# Altium PCB PCB_3U_ADC.PCBDOC (part 5 of 5)
Units mil, origin at the board's own origin, x right, y up, seen from the top; angles counter-clockwise.
Board outline 6299 x 3937 mil, 4 copper layers (Top, MP(GND), L3, Bot), stack 64.881 mil thick; 530 components, 318 nets, 1631 pads, 745 vias.
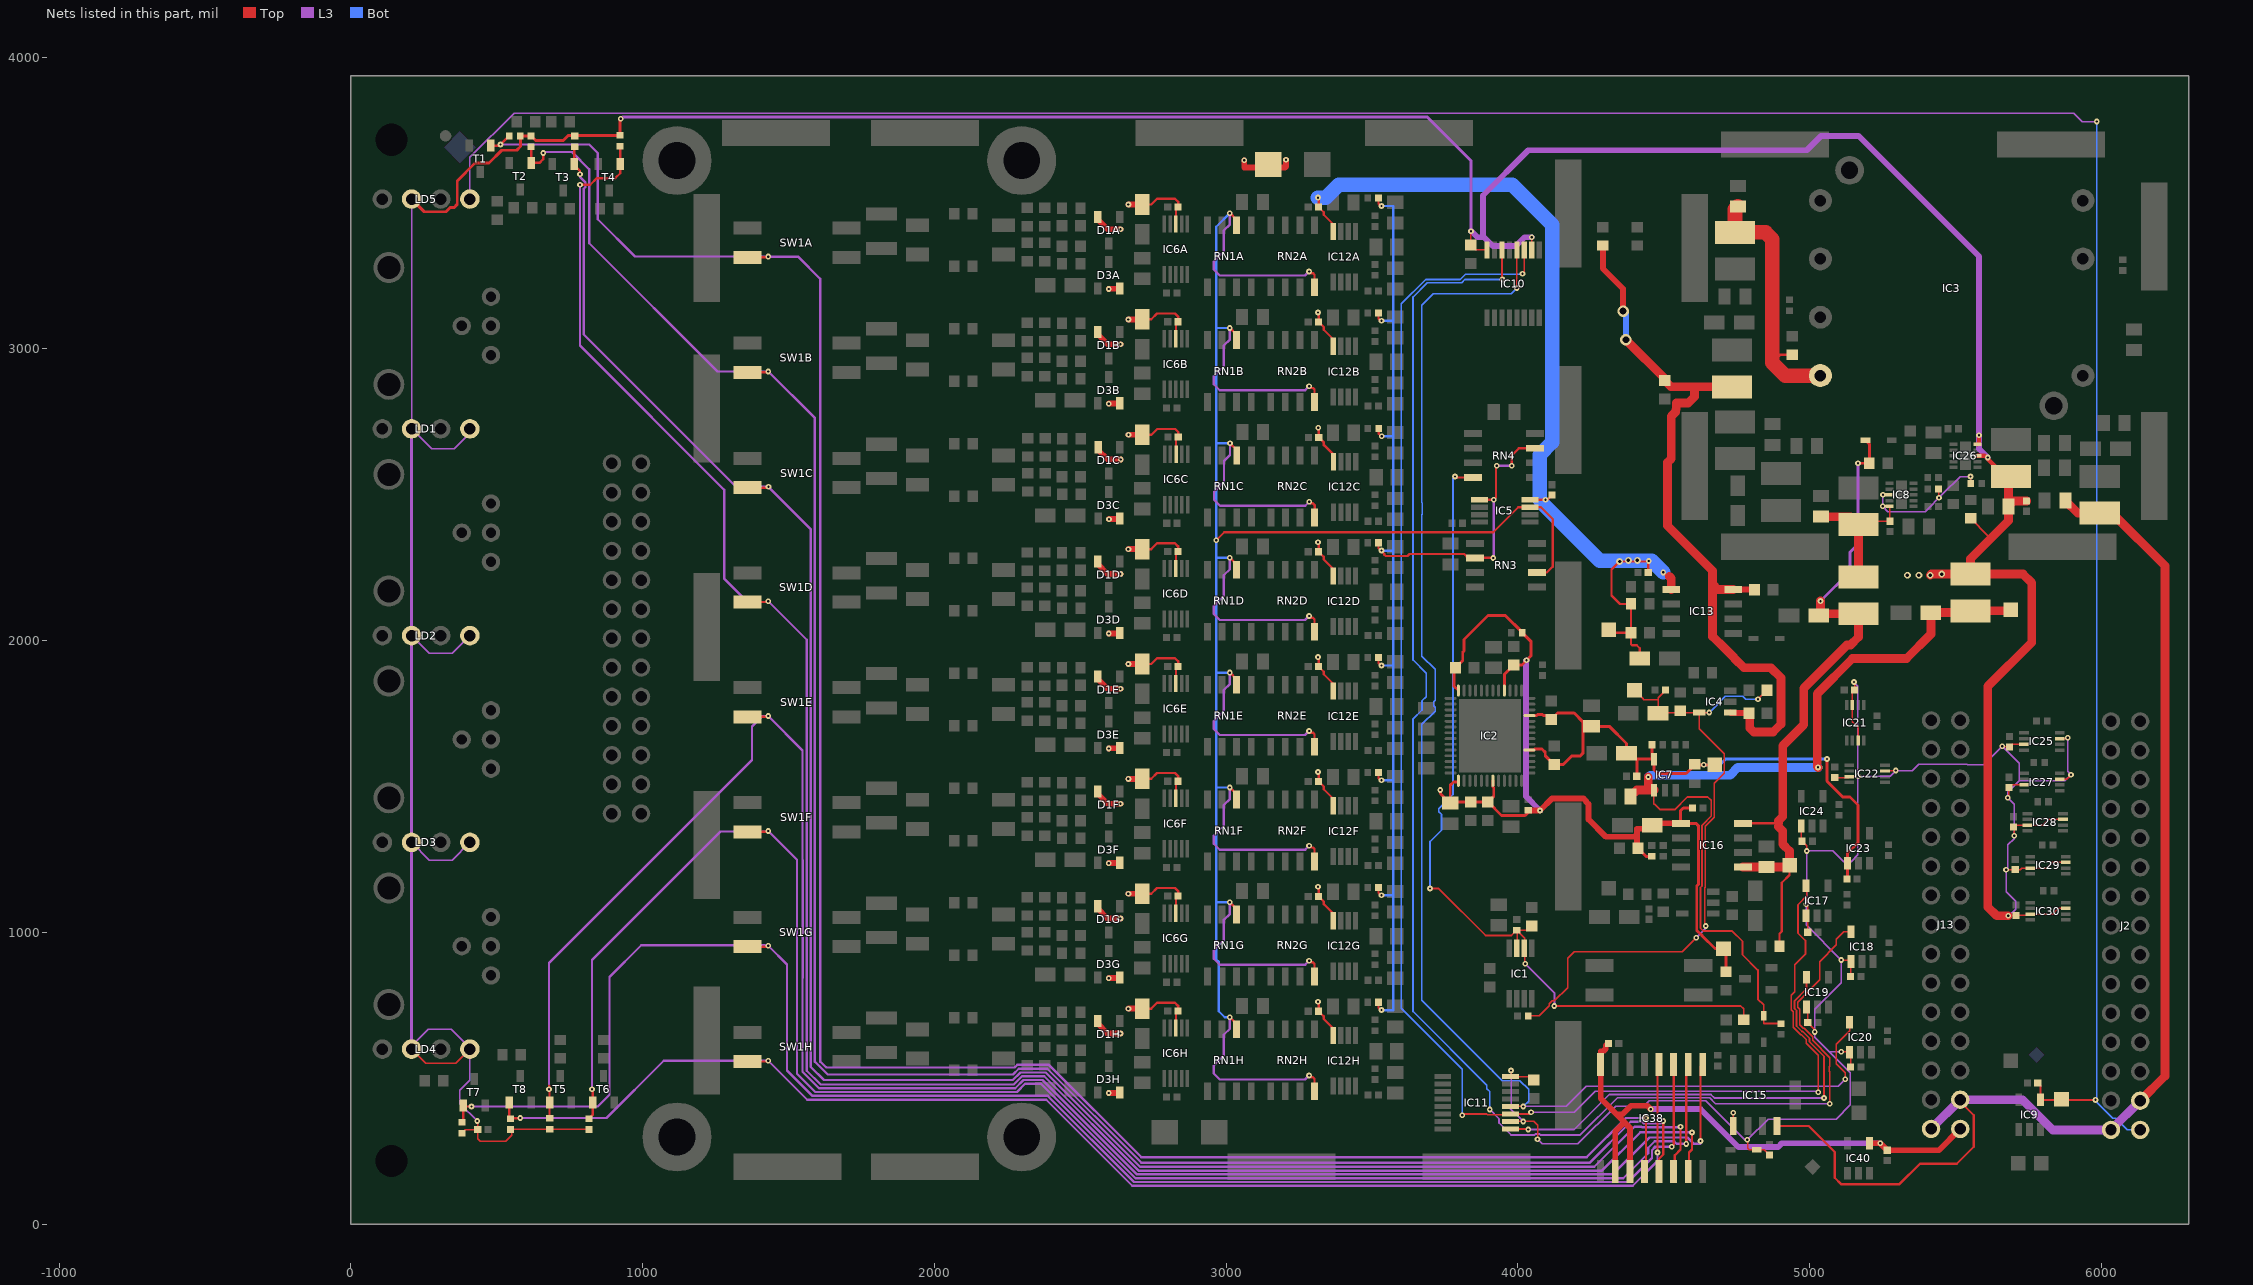
[diagram p7: the nets of this part, all layers, seen from the top]

## Via types
v1: diameter 19.68, hole 7.87, Top to Bot, tented both sides, 729 vias
v2: diameter 23.62, hole 11.81, Top to Bot, tented both sides, 9 vias
v3: diameter 39.37, hole 23.62, Top to Bot, tented both sides, 6 vias
v4: diameter 19.68, hole 7.87, Top to Bot, 1 vias

## Nets (pads, with @x,y where several pads share a name; then routed paths per layer and width w, separated by ;. In a path a pad name is that pad's centre, name@x,y a point inside that pad or via, vN(x,y) a via of type N, cw(c..) or ccw(c..) an arc to the next point about the centre after c; other vN are vias at no path point) (continued)
P2V5A: C7.2 C8.2 C9.2 C47.2 C55.2 C56.1 C67.2 IC2.31 IC2.37 IC7.5 IC23.1 R53.2 TP10.1 | length 2075.7
  Top w10: IC2.31@4039.17,1625.41 4053.15,1625.41 4056.91,1629.17 4082.24,1629.17 4093.86,1617.55 4093.86,1605.94 C8.2@4124.02,1575.79 4155.51,1575.79 4184.06,1604.33 4212.6,1604.33 4222.44,1614.17 4222.44,1722.44 4192.91,1751.97 4135.83,1751.97 C7.2@4114.17,1730.31 4100.97,1743.52 4087.16,1743.52 4084.01,1746.68 4067.57,1746.68 4064.41,1743.52 IC2.37@4039.17,1743.52 ; C9.2@4251.97,1706.69 4312.99,1706.69 4372.05,1647.64 C56.1@4372.05,1614.17 ; C55.2@4407.48,1535.43 4407.48,1592.49 4409.45,1594.46 IC7.5@4466.56,1594.46 ; R53.2@4459.84,1643.7 4459.84,1601.17 IC7.5@4466.56,1594.46 ; TP10.1@4675.2,1574.8 v1(4636.81,1574.8) 4606.3,1574.8 4576.77,1545.28 4478.35,1545.28 4466.56,1557.07 IC7.5@4466.56,1594.46 ; v1(5059.06,1594.49) 5059.06,1518.74 5113.04,1464.76 5137.8,1464.76 5165.23,1437.32 5165.23,1307.91 5130.03,1272.71 IC23.1@5130.03,1237.28 5130.03,1186.75 C67.2@5127.28,1184
  Bot w10: v1(4636.81,1574.8) 4692.32,1574.8 4712.01,1594.49 v1(5059.06,1594.49)
P3V3: C21.2 C24.2 C31.2 C33.2 C37.2 C38.2 C57.2 C94.2 C120.2 C121.2 C154.2 C156.2 C157.2 C158.2 C159.2 C160.2 C161.2 D5.1 IC10.10 IC10.16 IC11.10 IC11.16 IC15.5 IC17.1 IC18.1 IC19.1 IC20.1 IC21.3 IC21.7 IC22.3 IC22.7 IC24.1 IC25.3 IC25.7 IC26.8 IC26.10 IC27.3 IC27.7 IC28.3 IC28.7 IC29.3 IC29.7 IC30.3 IC30.7 L1.1 L5.2 LD1.2 LD1.4 LD2.2 LD2.4 LD3.2 LD3.4 LD4.2 LD4.4 LD5.2 R5.1 R12.1 R13.1 R20.2 R49.1 R51.1 R68.1 R69.1 R70.1 R71.1 | length 21629.5
  Top w5: LD4.2@208.27,600.39 257.48,551.18 359.06,551.18 LD4.4@408.27,600.39 ; R70.1@383.86,316.14 392.52,324.8 C37.2@435.04,324.8 ; v1(433.07,354.33) 435.04,352.36 C37.2@435.04,324.8 ; R69.1@816.93,325.98 551.18,325.98 551.18,305.12 531.5,285.43 442.91,285.43 435.04,293.31 C37.2@435.04,324.8 ; v1(3839.08,3403.79) C94.2@3839.08,3356.54 3856.36,3339.26 IC10.16@3894.08,3339.26 ; IC11.10@3974.6,352.62 v1(4017.98,352.62) 4054.86,352.62 4067.91,339.57 4067.91,292.32 v1(4066.93,291.34) ; v1(3976.38,526.83) 3976.38,507.94 IC11.16@3974.6,506.16 4043.05,506.16 C57.2@4055.12,494.09 ; IC10.10@4047.62,3339.26 v1(4047.62,3382.65) ; v1(4786.42,289.37) 4787.99,287.8 4787.99,261.22 4793.31,255.91 D5.1@4818.5,255.91 4843.7,255.91 R51.1@4862.2,237.4 ; IC24.1@4971.03,1365.2 4971.03,1316.25 C154.2@4974.28,1313 4990.16,1297.13 v1(4990.16,1279.53) ; v1(4988.03,1096.9) 4993.28,1091.65 C159.2@4993.28,1001 ; IC19.1@4989.03,744.6 4993.28,740.35 C157.2@4993.28,691 5017.72,666.57 v1(5017.72,659.45) ; C160.2@5086,1531.28 5133.04,1531.28 IC22.3@5135.7,1533.95 5163.74,1533.95 v1(5165.23,1535.43) ; v1(5108.27,591.54) 5135.66,591.54 IC20.1@5137.03,590.17 5140.28,586.91 C156.2@5140.28,539 ; v1(5108.57,905.51) 5137.09,905.51 IC18.1@5142.03,900.57 5140.28,898.82 C158.2@5140.28,849 ; v1(5151.57,1858.27) 5153.72,1856.13 C161.2@5153.72,1831 5146.41,1823.69 IC21.3@5146.41,1779.7 5146.41,1722.69 5166.09,1703 IC21.7@5166.09,1657.65 ; IC22.7@5257.75,1553.63 5293.79,1553.63 v1(5295.28,1555.12) ; R20.2@5551.18,2419.29 5610.49,2359.98 5629.92,2359.98 ; v1(5659.83,1638.32) 5661.72,1636.43 C33.2@5685.06,1636.43 5693.47,1644.84 IC25.3@5734.87,1644.84 ; v1(5673.23,1215.55) 5673.33,1215.45 C21.2@5704.56,1215.45 5722.33,1215.45 5727.35,1220.47 IC29.3@5755.91,1220.47 5812.11,1220.47 5831.96,1240.31 5877.8,1240.31 IC29.7@5877.95,1240.16 ; v1(5679.13,1462.2) 5682.69,1465.75 C38.2@5682.69,1496.51 5692.08,1505.91 IC27.3@5735.04,1505.91 ; v1(5680.12,1057.09) 5681.42,1058.38 C31.2@5707.56,1058.38 5751.3,1058.38 IC30.3@5755.91,1062.99 5832.68,1062.99 5852.36,1082.68 IC30.7@5877.95,1082.68 ; v1(5701,1331.69) 5701,1359.23 C24.2@5698.71,1361.52 5705.3,1368.11 IC28.3@5746.06,1368.11 5799.27,1368.11 5819.11,1387.95 5867.95,1387.95 IC28.7@5868.11,1387.8 ; IC25.7@5856.91,1664.52 5881.15,1664.52 v1(5884.47,1667.84) ; IC27.7@5857.08,1525.59 5880.32,1525.59 v1(5895.67,1540.94)
  Top w6: IC15.5@4737.99,336.61 4738.19,336.81 v4(4738.19,381.89)
  Top w10: LD5.2@208.27,3513.78 251.73,3470.31 326.27,3470.31 340.21,3484.25 353.28,3484.25 364.8,3495.78 364.8,3575.8 425.98,3636.97 473.7,3636.97 517.67,3680.94 568.74,3680.94 581.69,3693.9 581.69,3728.15 R5.1@580.51,3729.33 ; R5.1@580.51,3730.12 R12.1@618.11,3730.12 633.7,3714.53 728.31,3714.53 745.87,3732.09 R49.1@923.23,3732.09 923.23,3787.4 v1(925.2,3789.37)
  Top w15: IC26.8@5574.87,2633.65 5600.18,2633.65 ; IC26.10@5574.87,2673.02 5580.22,2678.37 v1(5580.22,2704.52) ; v1@5608.06,2625.78 5670.26,2563.58 L5.2@5689.94,2563.58
  Top w30: v2(5413.39,2224.41) 5417.32,2228.35 v2(5452.76,2228.35) L1.1@5551.18,2228.35 ; v1(5680.12,1057.09) 5640.75,1057.09 5610.24,1087.6 5610.24,1843.5 5760.83,1994.09 5760.83,2198.82 5731.3,2228.35 L1.1@5551.18,2228.35 ; L5.2@5689.94,2563.58 5681.38,2555.01 C121.2@5681.38,2460.57 ; C120.2@5742.94,2479.28 5700.09,2479.28 C121.2@5681.38,2460.57 ; L1.1@5551.18,2228.35 5551.18,2281.24 5629.92,2359.98 5681.38,2411.44 C121.2@5681.38,2460.57
  L3 w5: LD4.2@208.27,600.39 208.27,611.81 265.75,669.29 344.49,669.29 408.27,605.51 LD4.4@408.27,600.39 408.27,492.91 374.02,458.66 374.02,413.39 v1(433.07,354.33) ; LD3.2@208.27,1309.06 269.05,1248.28 347.49,1248.28 LD3.4@408.27,1309.06 ; LD2.2@208.27,2017.72 269.05,1956.94 347.49,1956.94 LD2.4@408.27,2017.72 ; LD5.2@208.27,3513.78 LD1.2@208.27,2726.38 277.17,2657.48 354.33,2657.48 408.27,2711.42 LD1.4@408.27,2726.38 ; v1(3976.38,526.83) 3976.38,397.79 3974.6,396.01 v1(4017.98,352.62) ; v1(4066.93,291.34) 4082.68,275.59 4205.71,275.59 4334.56,404.44 4432.16,404.44 4450.95,423.23 4643.43,423.23 4777.29,289.37 v1(4786.42,289.37) 4857.28,360.24 5090.55,360.24 5139.39,409.07 5139.39,520.06 5067.91,591.54 ; v1(5108.27,591.54) 5067.91,591.54 ; v1(5151.57,1858.27) 5165.23,1844.61 v1(5165.23,1535.43) ; v1(5680.12,1057.09) 5683.07,1057.09 5705.71,1079.72 5705.71,1107.28 5673.23,1139.76 v1(5673.23,1215.55) 5679.13,1221.46 5679.13,1300.2 5701,1322.07 v1(5701,1331.69) 5701,1440.33 v1(5679.13,1462.2) 5679.13,1480.5 5718.5,1519.87 ; v1(5884.47,1667.84) 5884.47,1552.14 v1(5895.67,1540.94) 5874.6,1519.87 5718.5,1519.87 ; 5067.91,591.54 5017.72,641.73 v1(5017.72,659.45) 5017.72,736.22 5108.57,827.07 v1(5108.57,905.51) 4988.03,1026.05 v1(4988.03,1096.9) 4990.16,1099.03 v1(4990.16,1279.53) 5079.72,1279.53 5116.14,1243.11 5142.72,1243.11 5165.35,1265.75 5165.35,1380.65 5165.23,1380.78 v1(5165.23,1535.43) ; v1(5165.23,1535.43) 5275.59,1535.43 v1(5295.28,1555.12) 5351.38,1555.12 5373.03,1576.77 5539.37,1576.77 5540.35,1575.79 5597.3,1575.79 v1(5659.83,1638.32) 5718.5,1579.64 5718.5,1519.87
  L3 w10: LD4.2@208.27,611.81 LD3.2@208.27,1309.06 LD2.2@208.27,2017.72 LD1.2@208.27,2726.38 ; v1(925.2,3789.37) 930.83,3795 3689.25,3795 3839.08,3645.18 v1(3839.08,3403.79)
  L3 w20: v1@3839.69,3404.4 3861.45,3382.65 3880.3,3382.65 ; v1(4047.62,3382.65) 4022.41,3382.65 3992.13,3352.36 3914.37,3352.36 3884.09,3382.65 3880.3,3382.65 ; v1(5610.23,2627.95) 5580.22,2657.96 v1(5580.22,2704.52) 5580.22,3317.42 5167.32,3730.32 5039.37,3730.32 4990.16,3681.1 4035.43,3681.1 3880.3,3525.97 3880.3,3382.65
  other v2: 5334.65,2224.41 5374.02,2224.41
P3V3_MP0: C153.2 C162.2 IC38.2 IC38.3 IC38.16 IC40.4 J13.30 | length 2009.5
  Top w20: C153.2@4309.05,620.08 4300.83,611.85 4300.83,601.66 4292.04,592.87 4283.66,592.87 IC38.16@4283.66,547.24 4283.66,430.91 4337.6,376.97 ; IC38.2@4333.66,181.1 4333.66,317.91 4365.16,349.41 ; IC38.3@4383.66,181.1 4383.66,330.91 4365.16,349.41 ; v1(4455.71,394.69) 4443.9,406.5 4387.8,406.5 4358.27,376.97 4337.6,376.97 ; IC40.4@5204.73,277.56 v1(5242.13,277.56) C162.2@5265.75,253.94 5442.94,253.94 J13.30@5516,327 ; 4337.6,376.97 4365.16,349.41
  L3 w20: v1(4455.71,394.69) 4625.98,394.69 4756.14,264.53 4891.5,264.53 4904.53,277.56 v1(5242.13,277.56)
P3V3_MP1: C43.2 IC9.4 J2.30 LD5.4 TP5.1 | length 9596
  Top w6: C43.2@5781.5,484.25 5791.34,474.41 IC9.4@5791.34,427.17 5792.13,426.38 v1(5979.58,426.38)
  L3 w5: LD5.4@408.27,3513.78 408.27,3656.3 559.47,3807.5 5905.51,3807.5 5933.48,3779.53 v1(5984.25,3779.53)
  Bot w5: v1(5984.25,3779.53) 5984.25,431.05 v1(5979.58,426.38) 5979.58,421.58 6038.54,362.62 6048.83,362.62 6087.83,323.62 J2.30@6132.68,323.62
P3V3A: C50.1 C53.2 D2.1 IC7.1 L1.2 R23.2 TP11.1 | length 3071.2
  Top w6: IC7.1@4466.56,1488.16 4465.55,1487.15 4465.55,1439.96 4469.49,1439.96 4488.19,1421.26 4537.45,1421.26 4580.76,1464.57 4650.59,1464.57 4662.41,1452.75 4662.41,1399.22 4631.23,1368.04 4631.23,1159.64 4625.86,1154.27 4625.86,1015.25 4636.31,1004.8 4734.38,1004.8 4769.69,969.49 4769.69,924.21 4822.66,871.24 4822.66,771.83 4842.52,751.97 D2.1@4842.52,714.17 4842.52,688.98 4843.7,687.8 R23.2@4901.57,687.8
  Top w30: C53.2@4385.83,1466.54 4407.45,1488.16 4445.87,1488.16 ; v1(4446.87,1532.96) 4446.87,1489.16 4445.87,1488.16 ; IC7.1@4466.56,1488.16 4445.87,1488.16 ; v1(5028.54,1565.94) 5025.59,1568.9 5025.59,1817.91 5146.65,1938.98 5331.69,1938.98 5415.35,2022.64 C50.1@5415.35,2096.46 5545.28,2096.46 L1.2@5551.18,2102.36 5685.04,2102.36 TP11.1@5688.98,2106.3
  Bot w30: v1(4446.87,1532.96) 4453.28,1539.37 4727.36,1539.37 4753.94,1565.94 v1(5028.54,1565.94)
P5V0A: C3.2 C4.2 C5.2 C6.2 C54.2 C62.2 C114.2 C115.1 IC2.15 IC2.21 IC2.44 IC2.52 IC16.1 R2.1 R10.2 R11.2 R25.2 TP13.1 | length 3267.8
  Top w10: v1(3734.25,1488.19) 3734.25,1475.8 3766.07,1443.98 C6.2@3768.17,1443.98 ; C5.2@3780.35,1907.48 3780.35,1844.86 IC2.52@3796.06,1829.15 ; C5.2@3786.42,1907.48 3811.02,1932.09 3811.02,1960.63 3814.96,1964.57 3814.96,2003.94 3897.64,2086.61 3956.69,2086.61 4014.57,2028.74 R10.2@4014.57,2027.56 4045.43,1996.69 4045.43,1948.98 v1(4029.61,1933.15) 4013.78,1917.32 C4.2@3986.22,1917.32 3954.71,1885.81 3954.71,1830.31 IC2.44@3953.54,1829.15 ; IC2.15@3796.06,1520.09 3791.72,1515.75 3779.53,1515.75 3768.17,1504.39 C6.2@3768.17,1443.98 ; IC2.21@3914.17,1520.09 3914.17,1498.72 3917.33,1495.56 3917.33,1467.21 C3.2@3897.17,1447.05 ; R11.2@4035.43,1418.5 4035.43,1411.94 4024.91,1401.42 3943.69,1401.42 3898.06,1447.05 C3.2@3897.17,1447.05 ; C114.2@4411.42,1289.37 4439.76,1261.02 R25.2@4458.66,1261.02 ; C62.2@4598.43,1427.17 4566.93,1427.17 4557.09,1417.32 4557.09,1376.18 IC16.1@4559.06,1374.21 4610.04,1374.21 4618.23,1366.02 4618.23,1165.03 4612.86,1159.65 4612.86,1007.22 4617.95,1002.13 4619.44,1002.13 4631.06,990.5 4631.06,989.02 4675.2,944.88 TP13.1@4704.72,944.88 4713.2,936.4 R2.1@4713.2,865.5 ; C6.2@3768.17,1443.98 3771.23,1447.05 C54.2@3838.17,1447.05 C3.2@3897.17,1447.05
  Top w20: R11.2@4035.43,1418.5 v1(4075.98,1418.5) 4117.36,1459.88 4224.72,1459.88 4233.5,1451.1 4233.5,1448.58 4242.13,1439.96 4242.13,1387.8 4301.42,1328.5 4399.91,1328.5 4408.7,1337.29 ; C114.2@4411.42,1289.37 4408.7,1292.09 4408.7,1337.29 ; IC16.1@4559.06,1374.21 4466.73,1374.21 C115.1@4460.63,1368.11 4448.33,1355.81 4408.7,1355.81 4408.7,1337.29
  L3 w20: v1(4029.61,1933.15) 4027.56,1931.1 4027.56,1466.93 v1(4075.98,1418.5)
P6V0: C58.2 C59.2 IC8.8 IC8.10 L3.2 L4.1 R24.2 R57.2 | length 1138.1
  Top w5: L4.1@5167.32,2218.5 L3.2@5167.32,2397.64 5179.13,2409.45 C58.2@5273.62,2409.45 ; v1(5250,2460.63) IC8.10@5273.62,2460.63 C58.2@5273.62,2409.45 ; C58.2@5275.59,2409.45 C58.2@5273.62,2409.45 ; R24.2@5441.73,2519.69 5441.73,2491.34 v1(5442.91,2490.16) ; v1(5551.18,2562.79) 5552.36,2561.61 R57.2@5552.36,2539.37
  Top w30: C59.2@5039.37,2425.2 5139.76,2425.2 L3.2@5167.32,2397.64 L4.1@5167.32,2218.5
  L3 w5: v1(5251.06,2500) 5251.06,2461.69 v1(5250,2460.63) 5267.72,2442.91 5396.65,2442.91 5456.69,2502.95 5456.69,2503.94 5515.54,2562.79 v1(5551.18,2562.79)
P6V0A: C60.1 C61.2 D4.1 IC16.5 IC16.8 L4.2 R18.2 R56.2 TP12.1 | length 2403.3
  Top w8: IC16.8@4771.65,1374.21 4884.5,1374.21 ; 4893.04,1363.06 4904.19,1374.21 4893.04,1374.21 ; R18.2@4896.65,952.76 4896.65,996.06 4904.53,1003.94 4904.53,1170.28 4931.1,1196.85 TP12.1@4931.1,1230.31
  Top w10: v1(5165.35,2608.27) R56.2@5204.72,2608.27 5204.72,2673.62 D4.1@5191.34,2687.01
  Top w30: IC16.5@4771.65,1224.21 4925,1224.21 TP12.1@4931.1,1230.31 4931.1,1279.53 4907.93,1302.7 4907.93,1348.17 4893.04,1363.06 ; 4893.04,1374.21 4893.04,1382.75 4907.93,1397.64 4907.93,1640.31 4979.59,1711.97 4979.59,1836.97 5127.6,1984.98 5139.5,1984.98 5167.32,2012.8 L4.2@5167.32,2092.52 5037.4,2092.52 v1(5037.4,2135.83)
  L3 w10: v1(5037.4,2135.83) 5137.8,2236.22 5137.8,2303.15 5165.35,2330.71 v1(5165.35,2608.27)
P12V0: C48.2 IC15.8 J2.28 J2.29 J13.28 J13.29 L6.1 | length 4202.7
  Top w8: IC15.8@4887.99,336.61 4997.05,336.61 5085.63,248.03 5085.63,159.45 5107.28,137.8 5308.07,137.8 5377.95,207.68 5503.94,207.68 5562.01,265.75 5562.01,374.02 5516,420.02 J13.28@5516,427
  Top w30: C48.2@5876.37,2480 5919.36,2437.01 6037.4,2437.01 6217.52,2256.89 6217.52,508.46 J2.28@6132.68,423.62
  L3 w8: J2.28@6132.68,423.62 J2.28@6144.1,435.04
  L3 w30: J13.29@5416,327 J13.28@5516,427 5729.49,427 5833.66,322.83 6031.89,322.83 J2.29@6032.68,323.62 J2.28@6132.68,423.62
P12V0A: C10A.1 C10B.1 C10C.1 C10D.1 C10E.1 C10F.1 C10G.1 C10H.1 C20.2 C30.2 C35A.2 C35B.2 C35C.2 C35D.2 C35E.2 C35F.2 C35G.2 C35H.2 C51.1 C65.2 C70A.2 C70B.2 C70C.2 C70D.2 C70E.2 C70F.2 C70G.2 C70H.2 D1A.2 D1B.2 D1C.2 D1D.2 D1E.2 D1F.2 D1G.2 D1H.2 D3A.2 D3B.2 D3C.2 D3D.2 D3E.2 D3F.2 D3G.2 D3H.2 D8.1 IC5.8 IC6A.8 IC6B.8 IC6C.8 IC6D.8 IC6E.8 IC6F.8 IC6G.8 IC6H.8 IC12A.8 IC12B.8 IC12C.8 IC12D.8 IC12E.8 IC12F.8 IC12G.8 IC12H.8 IC13.1 R142.2 TP7.1 | length 7621.1
  Top w8: C10H.1@2712,739.27 2743.5,739.27 2763.32,759.09 2825,759.09 2835.48,748.62 C35H.2@2835.48,731.03 2828,723.55 IC6H.8@2828,672.71 ; C10G.1@2712,1132.98 2743.5,1132.98 2763.32,1152.8 2825,1152.8 2835.48,1142.32 C35G.2@2835.48,1124.73 2828,1117.25 IC6G.8@2828,1066.41 ; C10F.1@2712,1526.68 2743.5,1526.68 2763.32,1546.5 2825,1546.5 2835.48,1536.02 C35F.2@2835.48,1518.43 2828,1510.96 IC6F.8@2828,1460.11 ; C10E.1@2712,1920.38 2743.5,1920.38 2763.32,1940.2 2825,1940.2 2835.48,1929.72 C35E.2@2835.48,1912.13 2828,1904.66 IC6E.8@2828,1853.81 ; C10D.1@2712,2314.08 2743.5,2314.08 2763.32,2333.9 2825,2333.9 2835.48,2323.42 C35D.2@2835.48,2305.83 2828,2298.36 IC6D.8@2828,2247.51 ; C10B.1@2712,3101.48 2743.5,3101.48 2763.32,3121.3 2825,3121.3 2835.48,3110.82 C35B.2@2835.48,3093.24 2828,3085.76 IC6B.8@2828,3034.92 ; C10A.1@2712,3495.18 2743.5,3495.18 2763.32,3515 2825,3515 2835.48,3504.52 C35A.2@2835.48,3486.94 2828,3479.46 IC6A.8@2828,3428.61 ; C10C.1@2712.49,2706.05 2743.99,2706.05 2763.81,2725.87 2825.49,2725.87 2835.97,2715.4 C35C.2@2835.97,2697.81 2828.49,2690.33 IC6C.8@2828.49,2639.49 ; v1(3314.96,762.8) 3316.93,760.83 C70H.2@3316.93,730.31 3334.65,712.6 3334.65,703.74 3367.13,671.26 IC12H.8@3367.13,646.8 ; v1(3314.96,1156.5) 3316.93,1154.53 C70G.2@3316.93,1124.02 3334.65,1106.3 3334.65,1097.44 3367.13,1064.96 IC12G.8@3367.13,1040.5 ; v1(3314.96,1550.2) 3316.93,1548.23 C70F.2@3316.93,1517.72 3334.65,1500 3334.65,1491.14 3367.13,1458.66 IC12F.8@3367.13,1434.2 ; v1(3314.96,1943.9) 3316.93,1941.93 C70E.2@3316.93,1911.42 3334.65,1893.7 3334.65,1884.84 3367.13,1852.36 IC12E.8@3367.13,1827.9 ; v1(3314.96,2337.6) 3316.93,2335.63 C70D.2@3316.93,2305.12 3334.65,2287.4 3334.65,2278.54 3367.13,2246.06 IC12D.8@3367.13,2221.6 ; v1(3314.96,3125) 3316.93,3123.03 C70B.2@3316.93,3092.52 3334.65,3074.8 3334.65,3065.94 3367.13,3033.46 IC12B.8@3367.13,3009 ; v1(3314.96,3518.7) 3316.93,3516.73 C70A.2@3316.93,3486.22 3334.65,3468.5 3334.65,3459.65 3367.13,3427.17 IC12A.8@3367.13,3402.7 ; v1(3315.45,2729.58) 3317.42,2727.61 C70C.2@3317.42,2697.1 3335.14,2679.38 3335.14,2670.52 3367.62,2638.04 IC12C.8@3367.62,2613.58 ; IC5.8@4041.34,2483.27 v1(4094.49,2483.27) 4101.38,2483.27 C20.2@4117.13,2499.02 ; TP7.1@4311.02,2037.4 4320.87,2027.56 C65.2@4387.8,2027.56 ; C51.1@4417.32,1938.98 4417.32,1974.41 4407.48,1984.25 4391.73,1984.25 4387.8,1988.19 C65.2@4387.8,2027.56 ; C30.2@4446.85,2234.25 4446.85,2271.65 v2(4348.43,2271.65) 4320.87,2244.09 4320.87,2155.51 4350.39,2125.98 R142.2@4387.8,2125.98 C65.2@4387.8,2027.56 ; v1(4498.03,2234.25) 4515.26,2217.03
  Top w20: D1H.2@2560.6,696.37 2560.6,687.31 2593.81,654.09 v1(2638.31,654.09) ; D1G.2@2560.6,1090.07 2560.6,1081.01 2593.81,1047.8 v1(2638.31,1047.8) ; D1F.2@2560.6,1483.77 2560.6,1474.71 2593.81,1441.5 v1(2638.31,1441.5) ; D1E.2@2560.6,1877.47 2560.6,1868.41 2593.81,1835.2 v1(2638.31,1835.2) ; D1D.2@2560.6,2271.17 2560.6,2262.11 2593.81,2228.9 v1(2638.31,2228.9) ; D1B.2@2560.6,3058.57 2560.6,3049.51 2593.81,3016.3 v1(2638.31,3016.3) ; D1A.2@2560.6,3452.28 2560.6,3443.21 2593.81,3410 v1(2638.31,3410) ; D1C.2@2561.09,2663.15 2561.09,2654.09 2594.3,2620.87 v1(2638.8,2620.87) ; v1(2597.78,449.76) 2598.51,450.48 D3H.2@2633.61,450.48 ; v1(2597.78,843.46) 2598.51,844.18 D3G.2@2633.61,844.18 ; v1(2597.78,1237.16) 2598.51,1237.88 D3F.2@2633.61,1237.88 ; v1(2597.78,1630.86) 2598.51,1631.58 D3E.2@2633.61,1631.58 ; v1(2597.78,2024.56) 2598.51,2025.28 D3D.2@2633.61,2025.28 ; v1(2597.78,2811.96) 2598.51,2812.68 D3B.2@2633.61,2812.68 ; v1(2597.78,3205.66) 2598.51,3206.38 D3A.2@2633.61,3206.38 ; v1(2598.28,2416.54) 2599,2417.26 D3C.2@2634.11,2417.26 ; v1(2665,739.09) 2665.18,739.27 C10H.1@2712,739.27 ; v1(2665,1132.8) 2665.18,1132.98 C10G.1@2712,1132.98 ; v1(2665,1526.5) 2665.18,1526.68 C10F.1@2712,1526.68 ; v1(2665,1920.2) 2665.18,1920.38 C10E.1@2712,1920.38 ; v1(2665,2313.9) 2665.18,2314.08 C10D.1@2712,2314.08 ; v1(2665,3101.3) 2665.18,3101.48 C10B.1@2712,3101.48 ; v1(2665,3495) 2665.18,3495.18 C10A.1@2712,3495.18 ; v1(2665.49,2705.87) 2665.67,2706.05 C10C.1@2712.49,2706.05 ; v1(3062.05,3646.37) 3062.05,3622.05 3202.04,3622.05 3205.05,3625.05 v1(3205.05,3648.37)
  Top w30: 4518.7,2220.47 4525.55,2213.62 IC13.1@4525.55,2175.37
  Bot w50: v1(3314.96,3518.7) 3341.54,3518.7 3385.83,3562.99 3980.32,3562.99 4118.11,3425.2 4118.11,2681.1 4074.8,2637.8 4074.8,2483.27 ; 4083.17,2471.95 4281.02,2274.09 4448.35,2274.09 v1(4448.82,2273.62) 4458.66,2273.62 v1(4498.03,2234.25)
  other v2: 4378.94,2275.59 4409.45,2275.59
P13V0: C29.2 C112.2 C117.2 IC4.1 IC13.8 L11.2 R3.2 | length 2618.3
  Top w20: R3.2@4291.34,3354.33 4291.34,3275.31 4360.24,3206.41 v3(4360.24,3129.92) ; IC4.1@4728.35,1753.94 4730.32,1751.97 C117.2@4791.34,1751.97 ; IC13.8@4738.15,2175.37 4810.85,2175.37 C112.2@4811.02,2175.2
  Top w30: v3(4370.08,3031.5) C29.2@4506.4,2895.18 ; C29.2@4502.95,2891.73 4524.61,2870.08 4614.17,2870.08 ; 4667.32,2193.9 4685.85,2175.37 IC13.8@4738.15,2175.37 ; L11.2@4734.25,2870.08 4614.17,2870.08 ; C117.2@4791.34,1751.97 4794.29,1749.02 4794.29,1700.79 4808.07,1687.01 4874.02,1687.01 4901.57,1714.57 4901.57,1873.03 4867.13,1907.48 4774.61,1907.48 4741.69,1940.39 4741.69,1941.54 4692.21,1991.02 4691.06,1991.02 4667.32,2014.76 4667.32,2239.17 4512.48,2394.02 4512.48,2610.79 4525.59,2623.9 4525.59,2768.82 4541.02,2784.25 4541.02,2791.75 4542.64,2793.36 4542.64,2814.96 4583.66,2814.96 4605.32,2836.61 4605.32,2861.22 4614.17,2870.08
  Bot w20: v3(4360.24,3129.92) 4370.08,3120.08 v3(4370.08,3031.5)
P13V0S: C26.2 IC3.7 L10.1 R7.2 | length 916.8
  Top w8: 4872.05,2952.76 4899.61,2980.31 R7.2@4940.94,2980.31
  Top w50: C26.2@4753.94,3488.19 4744.09,3478.35 L10.1@4744.09,3399.61 4848.43,3399.61 4872.05,3375.98 4872.05,2952.76 4916.14,2908.66 IC3.7@5036.61,2908.66
PGIA-CS: IC10.12 IC11.12 IC20.5 | length 4874.1
  Top w5: IC11.12@3974.6,403.8 v1(4017.98,403.8) ; v1(3996.06,3208.66) 3996.44,3209.04 IC10.12@3996.44,3339.26 ; v1(5122.05,497.05) 5122.05,518.62 5090.55,550.12 5090.55,617.13 5137.03,663.61 IC20.5@5137.03,692.53
  L3 w5: v1(4017.98,403.8) 4165.61,403.8 4234.25,472.44 5097.44,472.44 v1(5122.05,497.05)
  Bot w5: v1(3996.06,3208.66) 3976.38,3188.98 3710.63,3188.98 3671.26,3149.61 3671.26,2472.89 3671.37,2472.78 3671.37,2432.73 3671.26,2432.62 3671.26,1946.43 3715.95,1901.74 3715.95,1795.5 3712.07,1791.62 3712.07,1776.59 3715.95,1772.7 3715.95,1759.05 3671.26,1714.36 3671.26,767.72 3946.85,492.13 4006.89,492.13 4036.41,462.6 4036.41,422.23 v1(4017.98,403.8)
PGIA-MISO: IC11.9 IC19.5 | length 1604.3
  Top w6: IC11.9@3974.6,327.03 4033.21,327.03 v1(4035.43,324.8) ; IC19.5@4989.03,846.96 4989.03,807.03 4948.18,766.18 4948.18,739.24 4954.78,732.64 4954.78,679.64 4973.62,660.8 4976.31,660.8 4999.32,637.79 4999.32,625.6 5049.21,575.7 v1(5049.21,433.07)
  L3 w6: v1(4035.43,324.8) 4192.91,324.8 4312.84,444.73 4661.46,444.73 4673.12,433.07 v1(5049.21,433.07)
PGIA-MOSI: IC10.14 IC18.5 | length 5366.2
  Top w5: v1(5068.9,413.39) 5068.9,522.72 5066.24,525.38 5066.24,539.74 5068.9,542.4 5068.9,570.87 5009.82,629.95 5009.82,642.14 4980.66,671.3 4977.97,671.3 4965.28,683.99 4965.28,736.99 4958.68,743.59 4958.68,761.83 5034.45,837.6 5034.45,900.59 5091.23,957.37 5091.23,977.05 5117.1,1002.93 IC18.5@5142.03,1002.93
  Top w6: IC10.14@3945.26,3339.26 3945.26,3239.78 v1(3946.85,3238.19)
  L3 w5: 5039.37,413.39 v1(5068.9,413.39)
  L3 w6: v1(3903.19,393.7) 3935.17,361.72 3935.17,347.57 3976.38,306.36 4056.72,306.36 4059.54,309.18 4074.32,309.18 4077.14,306.36 4213.84,306.36 4341.21,433.73 4656.91,433.73 4677.25,413.39 5039.37,413.39
  Bot w6: v1(3903.19,393.7) 3903.19,455.08 3893.37,464.9 3893.37,476.71 3640.76,729.32 3640.76,1732.28 3671.26,1762.78 3671.26,1793.94 3685.45,1808.13 3685.45,1889.11 3640.76,1933.8 3640.76,2445.25 3640.87,2445.37 3640.87,2460.15 3640.76,2460.26 3640.76,3178.16 3689.79,3227.19 3806.93,3227.19 3817.93,3238.19 v1(3946.85,3238.19)
PGIA-SCK: IC10.11 IC11.11 IC17.5 | length 5457.5
  Top w6: v1(3809.06,374.02) 3813.25,378.21 3893.44,378.21 3895.8,375.86 3972.25,375.86 IC11.11@3974.6,378.21 4039.63,378.21 v1(4045.28,383.86) ; v1(4015.75,3257.87) 4022.03,3264.16 IC10.11@4022.03,3339.26 ; IC17.5@4988.03,1159.9 4990.16,1157.77 4990.16,1125.45 4959.91,1095.2 4959.91,998.15 4985.24,972.83 4985.24,926.18 4948.99,889.94 4948.99,796.62 4937.18,784.81 4937.18,734.68 4943.78,728.08 4943.78,675.08 4969.07,649.8 4971.75,649.8 4988.32,633.24 4988.32,621.04 5029.53,579.83 v1(5029.53,452.76)
  L3 w6: v1(4045.28,383.86) 4192.91,383.86 4264.78,455.73 5026.56,455.73 v1(5029.53,452.76)
  Bot w6: v1(3809.06,374.02) 3809.06,531.5 3600.27,740.28 3600.27,3154.55 3683.91,3238.19 3802.37,3238.19 3820.21,3256.03 4013.91,3256.03 v1(4015.75,3257.87)
REF_P2V0: IC5.7 RN1A.6 RN1B.6 RN1C.6 RN1D.6 RN1E.6 RN1F.6 RN1G.6 RN1H.6 RN2A.8 RN2B.8 RN2C.8 RN2D.8 RN2E.8 RN2F.8 RN2G.8 RN2H.8 RN3.2 | length 9917.5
  Top w8: v1(2966.39,2344.49) 2993.9,2371.99 3915.3,2371.99 4000.98,2457.68 IC5.7@4041.34,2457.68 4078.74,2457.68 4119.09,2417.32 4119.09,2275.52 4118.95,2275.38 4118.95,2253.8 4099.02,2233.86 RN3.2@4065.94,2233.86 ; v1(3012.8,709.65) 3036,686.44 RN1H.6@3036,668.39 ; v1(3012.8,1103.35) 3036,1080.14 RN1G.6@3036,1062.09 ; v1(3012.8,1497.05) 3036,1473.84 RN1F.6@3036,1455.8 ; v1(3012.8,1890.75) 3036,1867.54 RN1E.6@3036,1849.5 ; v1(3012.8,2284.45) 3036,2261.24 RN1D.6@3036,2243.2 ; v1(3012.8,3071.85) 3036,3048.65 RN1B.6@3036,3030.6 ; v1(3012.8,3465.55) 3036,3442.35 RN1A.6@3036,3424.3 ; v1(3013.29,2676.43) 3036.49,2653.22 RN1C.6@3036.49,2635.17 ; v1(3284.45,509.84) 3290.35,503.94 3297.24,503.94 3302.77,498.41 RN2H.8@3302.77,455.72 ; v1(3284.45,903.54) 3290.35,897.64 3297.24,897.64 3302.77,892.11 RN2G.8@3302.77,849.43 ; v1(3284.45,1297.24) 3290.35,1291.34 3297.24,1291.34 3302.77,1285.81 RN2F.8@3302.77,1243.13 ; v1(3284.45,1690.94) 3290.35,1685.04 3297.24,1685.04 3302.77,1679.51 RN2E.8@3302.77,1636.83 ; v1(3284.45,2084.65) 3290.35,2078.74 3297.24,2078.74 3302.77,2073.21 RN2D.8@3302.77,2030.53 ; v1(3284.45,2872.05) 3290.35,2866.14 3297.24,2866.14 3302.77,2860.61 RN2B.8@3302.77,2817.93 ; v1(3284.45,3265.75) 3290.35,3259.84 3297.24,3259.84 3302.77,3254.31 RN2A.8@3302.77,3211.63 ; v1(3284.94,2476.62) 3290.85,2470.72 3297.74,2470.72 3303.27,2465.19 RN2C.8@3303.27,2422.5
  L3 w8: v1(3012.8,709.65) 3012.8,670.28 2992.13,649.61 2992.13,578.54 2957.68,544.09 2957.68,516.73 2978.35,496.06 3270.67,496.06 v1(3284.45,509.84) ; v1(3012.8,1103.35) 3012.8,1063.98 2992.13,1043.31 2992.13,972.24 2957.68,937.8 2957.68,910.43 2978.35,889.76 3270.67,889.76 v1(3284.45,903.54) ; v1(3012.8,1497.05) 3012.8,1457.68 2992.13,1437.01 2992.13,1365.94 2957.68,1331.5 2957.68,1304.13 2978.35,1283.46 3270.67,1283.46 v1(3284.45,1297.24) ; v1(3012.8,1890.75) 3012.8,1851.38 2992.13,1830.71 2992.13,1759.65 2957.68,1725.2 2957.68,1697.83 2978.35,1677.17 3270.67,1677.17 v1(3284.45,1690.94) ; v1(3012.8,2284.45) 3012.8,2245.08 2992.13,2224.41 2992.13,2153.35 2957.68,2118.9 2957.68,2091.54 2978.35,2070.87 3270.67,2070.87 v1(3284.45,2084.65) ; v1(3012.8,3071.85) 3012.8,3032.48 2992.13,3011.81 2992.13,2940.75 2957.68,2906.3 2957.68,2878.94 2978.35,2858.27 3270.67,2858.27 v1(3284.45,2872.05) ; v1(3012.8,3465.55) 3012.8,3426.18 2992.13,3405.51 2992.13,3334.45 2957.68,3300 2957.68,3272.64 2978.35,3251.97 3270.67,3251.97 v1(3284.45,3265.75) ; v1(3013.29,2676.43) 3013.29,2637.06 2992.62,2616.39 2992.62,2545.32 2958.17,2510.87 2958.17,2483.51 2978.84,2462.84 3271.16,2462.84 v1(3284.94,2476.62)
  Bot w8: v1(3012.8,709.65) 2995.08,709.65 2974.41,730.31 2974.41,900.52 2966.39,908.53 2966.39,1105.31 ; v1(3012.8,1103.35) 2968.36,1103.35 2966.39,1105.31 ; v1(3012.8,1497.05) 2967.38,1497.05 2966.39,1496.06 ; v1(3012.8,1890.75) 2967.38,1890.75 2966.39,1891.73 ; v1(3012.8,2284.45) 2969.35,2284.45 2966.39,2287.4 ; v1(3012.8,3071.85) 2970.33,3071.85 2966.39,3075.79 ; v1(3012.8,3465.55) 2966.39,3419.15 2966.39,3075.79 ; v1(3013.29,2676.43) 2969.1,2676.43 2966.39,2679.13 ; 2966.39,1105.31 2966.39,1496.06 ; 2966.39,1496.06 2966.39,1891.73 ; 2966.39,1891.73 2966.39,2287.4 ; 2966.39,2287.4 v1(2966.39,2344.49) 2966.39,2679.13 ; 2966.39,2679.13 2966.39,3075.79
REF_P2V5: IC5.1 R50A.1 R50B.1 R50C.1 R50D.1 R50E.1 R50F.1 R50G.1 R50H.1 RN3.6 RN4.3 | length 4267.9
  Top w8: R50H.1@3522.44,760.83 3522.44,742.32 3531.5,733.27 v1(3532.48,734.25) ; R50G.1@3522.44,1154.53 3522.44,1136.02 3531.5,1126.97 v1(3532.48,1127.95) ; R50F.1@3522.44,1548.23 3522.44,1529.72 3531.5,1520.67 v1(3532.48,1521.65) ; R50E.1@3522.44,1941.93 3522.44,1923.43 3531.5,1914.37 v1(3532.48,1915.35) ; R50D.1@3522.44,2335.63 3522.44,2317.13 3541.56,2298.01 3541.56,2295.53 3546.83,2290.26 3621.95,2290.26 3628.94,2297.24 3815.94,2297.24 3829.33,2283.86 RN3.6@3853.35,2283.86 3914.96,2283.86 v1(3915.35,2283.46) ; R50B.1@3522.44,3123.03 3522.44,3104.53 3531.5,3095.47 v1(3532.48,3096.46) ; R50A.1@3522.44,3516.73 3522.44,3498.23 3531.5,3489.17 v1(3532.48,3490.16) ; R50C.1@3522.93,2727.61 3522.93,2709.1 3531.99,2700.05 v1(3532.97,2701.03) ; IC5.1@3868.11,2483.27 v1(3917.32,2483.27) 3925.2,2491.14 3925.2,2597.44 v1(3927.17,2599.41) ; v1(3979.33,2599.41) 3979.33,2635.83 4003.35,2659.84 RN4.3@4059.06,2659.84
  L3 w8: v1(3915.35,2283.46) 3917.32,2285.43 v1(3917.32,2483.27) ; v1(3927.17,2599.41) v1(3979.33,2599.41)
  Bot w8: v1@3535,734.09 3572.83,734.09 3572.83,1127.8 ; v1@3535,1127.8 3572.83,1127.8 ; v1@3535,1521.5 3572.83,1521.5 ; v1@3535,1915.2 3572.83,1915.2 ; v1@3535,2308.9 3572.83,2308.9 ; v1@3535,3096.3 3572.83,3096.3 ; v1@3535,3490 3572.83,3490 3572.83,3096.3 ; v1@3535.49,2700.87 3572.83,2700.87 ; 3572.83,1127.8 3572.83,1521.5 ; 3572.83,1521.5 3572.83,1915.2 ; 3572.83,1915.2 3572.83,2308.9 ; 3572.83,2308.9 3572.83,2700.87 ; 3572.83,2700.87 3572.83,3096.3
  other v1: 3532.48,2309.06
REF_P5V0: C2.2 IC1.6 IC1.7 R1.1 R22.1 RN4.8 | length 3008.1
  Top w6: v1(3698.82,1150.59) 3728.35,1150.59 3888.85,990.09 3978.13,990.09 3995.45,1007.41 R1.1@3996.24,1007.41 ; v1(3784.45,2562.99) 3787.6,2559.84 RN4.8@3846.46,2559.84 ; IC1.7@3997.55,948.3 R1.1@3997.55,1006.1 ; v1(4025.59,892.72) 4023.14,895.17 4023.14,980.51 R1.1@3997.55,1006.1 ; C2.2@4047.24,1022.42 4032.23,1007.41 R1.1@3996.24,1007.41 ; v1(4125,748.03) 4763.78,748.03 4773.62,738.19 R22.1@4773.62,700.79 ; R1.1@3996.24,1007.41 R1.1@3997.55,1006.1
  L3 w6: v1(4025.59,892.72) 4125,793.31 v1(4125,748.03)
  Bot w6: v1(3698.82,1150.59) 3698.82,1311.65 3738.31,1351.13 3738.31,1405.03 3728.8,1414.54 3728.8,1424.66 3777.56,1473.43 3777.56,1960.99 3777.69,1961.11 3777.69,1975.89 3777.56,1976.02 3777.56,2556.1 v1(3784.45,2562.99)
REF_VCC: C45.2 C116.2 C118.1 IC4.5 R15.1 R26.2 TP8.1 | length 2200.7
  Top w5: R15.1@4035.74,713.91 4073.17,713.91 4107.66,748.41 4107.66,755.21 4117.82,765.37 4124.63,765.37 4170.28,811.02 4170.28,911.42 4193.24,934.38 4563.32,934.38 v1(4611.22,982.28) ; TP8.1@4399.61,1830.71 4429.13,1801.18 4429.13,1797.73 4479.83,1797.73 4480.32,1797.24 ; C45.2@4505.91,1830.71 4480.32,1805.12 4480.32,1797.24 ; v1(4643.7,1022.64) 4640.14,1026.2 4640.14,1153.7 4641.73,1155.29 4641.73,1363.69 4672.91,1394.87 4672.91,1511.91 4707.7,1546.7 4707.7,1612.19 4622.05,1697.83 IC4.5@4622.05,1753.94 ; v1(4655.51,1753.94) IC4.5@4622.05,1753.94 ; v1(4822.83,1799.21) C116.2@4854.33,1830.71 ; 4480.32,1797.24 C118.1@4480.32,1751.97 4482.28,1753.94 IC4.5@4622.05,1753.94
  L3 w5: v1(4611.22,982.28) 4643.7,1014.76 v1(4643.7,1022.64)
  Bot w5: v1(4655.51,1753.94) 4711.24,1809.67 4769.98,1809.67 4780.43,1799.21 v1(4822.83,1799.21)
TERM_STAT0: IC38.4 R5.2 SW1A.2 T1.1 | length 7464.4
  Top w8: T1.1@480.32,3696.85 509.05,3696.85 v1(512.99,3700.79) R5.2@542.52,3730.32 ; SW1A.2@1359.92,3313.77 1428.03,3313.77 v1(1430.79,3316.53) ; IC38.4@4433.66,181.1 4438.98,186.42 v1(4438.98,364.17)
  L3 w8: v1(512.99,3700.79) 816.93,3700.79 846.46,3671.26 846.46,3444.88 974.41,3316.93 1430.39,3316.93 v1(1430.79,3316.53) 1532.88,3316.53 1609.25,3240.16 1609.25,557.6 1627.83,539.02 1628.3,539.02 1629.92,537.4 2275.13,537.4 2284.17,546.44 2392.64,546.44 2709.55,229.54 4235.44,229.54 4370.08,364.17 v1(4438.98,364.17)
TERM_STAT1: IC38.5 R12.2 SW1B.2 T2.1 | length 7169.9
  Top w8: R12.2@620.08,3692.13 618.11,3690.16 T2.1@618.11,3637.8 646.65,3637.8 659.45,3650.59 v1(659.45,3671.26) ; SW1B.2@1359.92,2920.07 1428.03,2920.07 v1(1430.79,2922.83) ; IC38.5@4483.66,181.1 4483.66,224.73 4498.03,239.1 v1(4498.03,354.33)
  L3 w8: v1(659.45,3671.26) 662.99,3674.8 757.87,3674.8 817.27,3615.4 817.27,3549.8 816.93,3549.46 816.93,3362.47 1256.57,2922.83 v1(1430.79,2922.83) 1590.55,2763.06 1590.55,557.09 1634.33,513.31 2269.42,513.31 2289.55,533.44 2387.26,533.44 2709.35,211.35 4246.78,211.35 4386.61,351.17 4425.33,351.17 4431.17,345.33 4489.03,345.33 v1(4498.03,354.33)
TERM_STAT2: IC38.6 R13.2 SW1C.2 T3.1 | length 6996.9
  Top w8: R13.2@767.72,3692.13 765.75,3690.16 T3.1@765.75,3633.86 765.75,3629.92 785.43,3610.24 v1(785.43,3598.43) ; SW1C.2@1360.42,2524.64 1428.53,2524.64 v1(1431.28,2527.4) ; IC38.6@4533.66,181.1 4537.4,184.84 4537.4,236.22 4557.09,255.91 v1(4557.09,334.65)
  L3 w8: v1(785.43,3598.43) 785.43,3589.64 804.27,3570.8 804.27,3555.19 798.43,3549.35 798.43,3049.99 1321.03,2527.4 v1(1431.28,2527.4) 1575.99,2382.69 1575.99,540.15 1621.83,494.31 2268.81,494.31 2294.94,520.44 2381.87,520.44 2705.31,197 4261.96,197 4399.61,334.65 4423.47,334.65 4425.79,332.33 4554.77,332.33 v1(4557.09,334.65)
TERM_STAT3: IC38.7 R49.2 SW1D.2 T4.1 | length 7112.8
  Top w8: v1(785.43,3562.99) 820.87,3562.99 843.5,3585.63 906.5,3585.63 923.23,3602.36 T4.1@923.23,3633.86 923.23,3690.16 R49.2@925.2,3692.13 ; SW1D.2@1359.92,2132.67 1428.03,2132.67 v1(1430.79,2135.42) ; IC38.7@4583.66,181.1 4586.61,184.06 4586.61,246.06 4596.46,255.91 v1(4596.46,314.96)
  L3 w8: v1(785.43,3562.99) 785.43,3011.81 1279.53,2517.72 1279.53,2213.06 1359.92,2132.67 1428.03,2132.67 v1(1430.79,2135.42) 1562.99,2003.22 1562.99,526.57 1610.4,479.16 2272.05,479.16 2300.32,507.44 2376.49,507.44 2699.93,184 4288.33,184 4419.29,314.96 v1(4596.46,314.96)
TERM_STAT4: IC38.9 R68.2 SW1E.2 T5.1 | length 6638.2
  Top w8: R68.2@679.13,362.99 681.1,364.96 T5.1@681.1,417.32 681.1,472.44 679.13,474.41 ; SW1E.2@1359.92,1738.96 1428.03,1738.97 v1(1430.79,1741.72) ; v1(4625.98,285.43) 4625.98,539.57 IC38.9@4633.66,547.24
  L3 w8: v1(679.13,462.6) 679.13,895.67 1375,1591.54 1375,1705.71 1411.01,1741.72 v1(1430.79,1741.72) 1548.23,1624.28 1548.23,1248.97 1548.43,1248.76 1548.43,844.29 1548.23,844.09 1548.23,522.64 1604.7,466.16 2277.43,466.16 2305.71,494.44 2371.1,494.44 2694.54,171 4324.54,171 4451.13,297.59 4581.42,297.59 4603.42,275.59 4625.98,275.59 v1(4625.98,285.43)
TERM_STAT5: IC38.10 R69.2 SW1F.2 T6.1 | length 5841
  Top w8: R69.2@816.93,362.99 828.74,374.8 T6.1@828.74,417.32 828.74,460.63 v1(826.77,462.6) ; SW1F.2@1359.92,1345.27 1428.03,1345.27 v1(1430.79,1348.02) ; v1(4576.77,275.59) 4576.77,540.35 IC38.10@4583.66,547.24
  L3 w8: v1(826.77,462.6) 826.77,905.51 1267.31,1346.05 1428.82,1346.05 v1(1430.79,1348.02) 1529.21,1249.6 1529.21,516.06 1592.11,453.16 2282.82,453.16 2311.09,481.44 2365.72,481.44 2689.16,158 4360.76,158 4446.5,243.75 4446.5,262.13 4468.96,284.59 4535.36,284.59 4544.36,275.59 v1(4576.77,275.59)
TERM_STAT6: IC38.11 R70.2 SW1G.2 T7.1 | length 5635.6
  Top w8: R70.2@383.86,353.15 385.83,355.12 T7.1@385.83,407.48 389.76,403.54 v1(413.39,403.54) ; SW1G.2@1359.92,951.57 1428.03,951.57 v1(1430.79,954.32) ; v1(4527.56,265.75) 4533.66,271.85 IC38.11@4533.66,547.24
  L3 w8: v1(413.39,403.54) 846.46,403.54 886.67,443.76 886.67,847.3 995.66,956.29 1428.82,956.29 v1(1430.79,954.32) 1495.08,890.03 1495.08,527.56 1582.47,440.16 2388.61,440.16 2683.77,145 4377.28,145 4459.5,227.22 4459.5,253.87 4468.5,262.87 4468.5,265.75 v1(4527.56,265.75)
TERM_STAT7: IC38.12 R71.2 SW1H.2 T8.1 | length 4684.1
  Top w8: T8.1@543.31,417.32 543.31,370.87 551.18,362.99 579.53,362.99 v1(580.71,364.17) ; SW1H.2@1359.92,557.86 1428.03,557.86 v1(1430.79,560.62) ; v1(4478.35,246.06) 4478.35,541.93 IC38.12@4483.66,547.24
  L3 w8: v1(580.71,364.17) 875.98,364.17 1072.43,560.62 v1(1430.79,560.62) 1564.28,427.13 2383.26,427.13 2678.39,132 4393.81,132 4478.35,216.54 v1(4478.35,246.06)
pads on no net: FTG17.FTG2 FTG18.1 FTG19.1 FTG20.1 IC3.8 IC3.9 IC8.4 IC9.5 IC26.4 IC38.13 IC40.5 J3.6 J3.7 J4.6 J4.7 J5.6 J5.7 J6.6 J6.7 RN4.7 SW2.4

## Polygon pours and split planes (outlines as drawn)
NetC32_2 on Top "Top Overlay-No Net" (solid, remove dead copper, pour order 2): 6220.97,2951.03 6220.97,2616.39 5994.59,2616.39 5984.75,2626.23 5922,2688.97 5922,2739.47 5922,2789.86 5922,2951.03
P12V0 on Top "ML1_BAL" (solid, remove dead copper, pour order 16): 6259.84,196.85 6259.84,2519.68 5826.77,2519.68 5826.77,2322.83 6062.99,2322.83 6062.99,1889.76 6102.36,1850.39 6141.73,1811.02 6141.73,1614.17 6141.73,511.81 6102.36,472.44 5984.25,354.33 5984.25,196.85
N12V0A on Top "ML1_BAL" (solid, remove dead copper, pour order 18): 4599.86,1097.44 4599.86,1011.28 4567.91,979.33 4564.96,976.38 4330.71,976.38 4330.71,1104.33 4331.69,1105.31 4333.66,1107.28 4590.55,1107.28
P12V0A on Top "ML1_BAL" (solid, remove dead copper, pour order 20): 4573.82,2155.51 4573.82,2218.5 4523.62,2268.7 4490.16,2302.17 4322.83,2302.17 4304.13,2302.17 4275.59,2273.62 4268.7,2266.73 4268.7,2070.87 4268.7,2026.57 4295.28,2000 4336.61,1958.66 4336.61,1924.21 4336.61,1915.35 4363.19,1888.78 4446.85,1888.78 4453.74,1888.78 4469.49,1904.53 4470.47,1905.51 4470.47,1962.6 4470.47,2134.84 4486.22,2150.59 4489.17,2153.54 4571.85,2153.54
N12V0A on Bot "ML1_BAL" (solid, remove dead copper, shelved, pour order 8): 3425.2,3307.09 3460.99,3307.09 3492.13,3275.95 3492.13,450.79 3366.14,324.8 3307.09,265.75 2854.33,265.75 2854.33,393.7 3343.46,393.7 3375.98,426.23 3415.35,465.6 3415.35,698.82 3415.35,3297.24
P12V0A on Bot "ML1_BAL" (solid, remove dead copper, pour order 6): 2657.48,403.54 2618.11,403.54 2598.43,423.23 2588.58,433.07 2588.58,485.28 2588.58,3543.31 2618.11,3572.83 2736.22,3690.94 3188.98,3690.94 3350.4,3690.94 3395.67,3645.67 3395.67,3533.46 3395.67,639.76 3375.98,620.08 3356.3,620.08 3340.91,620.08 3257.87,703.12 3257.87,3503.94 3248.03,3513.78 3238.19,3523.62 2962.6,3523.62 2903.54,3523.62 2883.86,3503.94 2873.13,3493.21 2736.22,3493.21 2735.34,3493.21 2716.54,3474.41 2716.54,462.6 2657.48,403.54 2627.95,403.54
N12V0A on Bot "ML1_BAL" (solid, remove dead copper, pour order 4): 2500.71,3524.33 2500.71,373.31 2608.27,265.75 2854.33,265.75 3523.62,265.75 3523.62,393.7 2866.14,393.7 2615.2,393.7 2578.74,430.16 2578.74,757.87 2578.74,3523.62 2568.9,3533.46 2509.84,3533.46
N12V0A on Bot "ML1_BAL" (solid, remove dead copper, pour order 10): 3464.57,3248.03 3478.95,3248.03 3523.62,3203.36 3523.62,393.7 3484.25,354.33 3444.88,354.33 3425.2,374.02 3418.31,380.91 3418.31,520.01 3418.31,3241.14 3425.2,3248.03
P3V3 on L3 "ML1_BAL" (solid, remove dead copper, pour order 12): 3937.01,708.66 3937.01,236.22 4055.12,118.11 4921.26,118.11 5275.59,118.11 5314.96,157.48 5340,182.52 5340,354.33 5340,379.37 5433.07,472.44 5472.44,511.81 5669.29,511.81 6102.36,511.81 6141.73,551.18 6141.73,2283.46 5275.59,2283.46 4133.86,2283.46 3937.01,2086.61
P12V0 on L3 "ML1_BAL" (solid, remove dead copper, pour order 14): 5354.33,314.96 5354.33,383 5483.14,511.81 5708.66,511.81 6102.36,511.81 6141.73,551.18 6141.73,708.66 6141.73,2283.46 6062.99,2362.2 5866.14,2362.2 5826.77,2362.2 5787.4,2401.57 5787.4,2480.32 5826.77,2519.68 6074.8,2519.68 6259.84,2519.68 6259.84,118.11 5354.33,118.11
GND on MP(GND) (split plane): 6278.9,20.1 20.1,20.1 20.1,3916.9 4478.84,3916.9 4478.84,3344.73 4488.68,3334.89 4488.68,2665.6 4980.81,2173.47 5807.58,2173.47 5807.58,2212.84 5010.34,2212.84 4518.21,2704.97 4518.21,3398.41 4518.21,3916.9 6278.9,3916.9

## Keep-outs
KeepOutLayer:
  lines w8: 65,319 240,319 240,119 6259.84,119 6259.84,3819 240,3819 240,3619 65,3619 65,319

## Other copper
Top:
  rectangle net P3V3: 5314.96,2204.72 5501.97,2244.09
  pour cut-out: 4518.21,3398.41 4518.21,2704.97 5010.34,2212.84 5807.58,2212.84 5807.58,2173.47 4980.81,2173.47 4488.68,2665.6 4488.68,3334.89 4478.84,3344.73 4478.84,3984.5 4518.21,3984.5
Bot:
  rectangle net N12V0A: 4437.99,1000.98 4578.74,1062.01
  pour cut-out: 4518.21,3398.41 4518.21,2704.97 5010.34,2212.84 5807.58,2212.84 5807.58,2173.47 4980.81,2173.47 4488.68,2665.6 4488.68,3334.89 4478.84,3344.73 4478.84,3984.5 4518.21,3984.5
MP(GND) (plane layer: these items are gaps in the copper):
  pour cut-out: 4518.21,3398.41 4518.21,2704.97 5010.34,2212.84 5807.58,2212.84 5807.58,2173.47 4980.81,2173.47 4488.68,2665.6 4488.68,3334.89 4478.84,3344.73 4478.84,3984.5 4518.21,3984.5

## Silkscreen, mask and mechanical layers (free items; w line width, h text height)
TopOverlay:
  drawing of 1239 lines, arcs and shapes, not listed
  text "PCB 3U ADC (Sampler) v1.2" at 4330.71,3819 h80
  text "WUT ISE 2017" at 4030.51,3753.94 h40
  text "CH0" at 1751.97,3503.94 h40
  text "on" at 1693.41,3150.27 h40
  text "off" at 1319.39,3140.43 h40
  text "CH1" at 1781.5,3110.24 h40
  text "Bot ADC0" at 659.45,2933.07 h40 r90
  text "Up ADC1" at 718.5,2933.07 h40 r90
  text "ADC IN" at 836.61,2824.8 h40
  text "on" at 1683.56,2754.18 h40
  text "off" at 1309.55,2744.34 h40
  text "CH2" at 1781.5,2716.54 h40
  text "Termination" at 1820.87,2372.05 h40
  text "on" at 1693.41,2370.32 h40
  text "off" at 1319.39,2360.48 h40
  text "CH3" at 1771.65,2322.83 h40
  text "+12V" at 6072.83,2312.99 h40
  text "Bot ADC2" at 659.45,2194.88 h40 r90
  text "Up ADC3" at 718.5,2194.88 h40 r90
  text "P3V3A" at 5738.19,2096.46 h40
  text "+12V" at 4320.87,2086.61 h39.37 r90
  text "EEM 0" at 5344.49,1978.35 h60
  text "EEM 1" at 5964.57,1978.35 h60
  text "on" at 1683.56,1976.62 h40
  text "off" at 1309.55,1966.78 h40
  text "CH4" at 1771.65,1929.13 h40
  text "REF / VCC" at 4222.44,1771.65 h39.37
  text "on" at 1644.19,1582.92 h40
  text "off" at 1328.74,1574.8 h40
  text "CH5" at 1771.65,1535.43 h40
  text "Bot ADC4" at 659.45,1515.75 h40 r90
  text "Up ADC5" at 718.5,1515.75 h40 r90
  text "P2V5" at 4655.51,1486.22 h39.37
  text "Termination" at 1791.34,1200.79 h40
  text "N12VA" at 4251.97,1200.79 h40
  text "on" at 1693.41,1189.22 h40
  text "off" at 1319.39,1179.38 h40
  text "CH6" at 1771.65,1141.73 h40
  text "P6V0A" at 4930.12,993.11 h39.37 r90
  text "P5V0A" at 4582.68,987.2 h39.37
  text "Bot ADC6" at 659.45,797.24 h40 r90
  text "Up ADC7" at 718.5,797.24 h40 r90
  text "on" at 1693.41,795.52 h40
  text "off" at 1319.39,785.68 h40
  text "CH7" at 1781.5,748.03 h40
  text "GND" at 5651.57,616.14 h39.37
  text "SDR mode" at 4330.71,580.71 h40
  text "P3V3 / MP1" at 5913.39,477.36 h39.37 r90
  text "SDA" at 5009.84,442.91 h39.37
  text "SCL" at 5019.68,364.17 h39.37
  text "I2C0" at 5275.59,354.33 h39.37 r90
  text "I2C1" at 5885.83,174.21 h39.37 r90
  text "SCL" at 5650.59,110.24 h39.37
  text "SDA" at 5778.54,108.27 h39.37
BottomOverlay:
  drawing of 1216 lines, arcs and shapes, not listed
  text "PCB 3U ADC (Sampler)  v1.2" at 5078.74,275.59 h80
  text "WUT ISE 2017" at 4803.64,119 h40
Mechanical1:
  the board outline again, w20
Mechanical4:
  lines w39.37: 1220.47,196.85 1220.47,3740.16 4173.23,3740.16 4173.23,196.85 1220.47,196.85 ; 4606.3,2322.83 4606.3,3700.79 6181.1,3700.79 6181.1,2322.83 4606.3,2322.83

## Text inside footprints (layer, text, board x,y; h text height)
J1: TopOverlay "26" at 839.88,2582.87 h40 r90; Mechanical14 "26" at 839.88,2582.87 h40 r90
J2: TopOverlay "30" at 6187.68,348.62 h40 r270; Mechanical14 "30" at 6187.68,348.62 h40 r270
J13: TopOverlay "30" at 5571,352 h40 r270; Mechanical14 "30" at 5571,352 h40 r270